# Altium PCB LV_breakout_1.PcbDoc
Units mm, origin at the board's own origin, x right, y up, seen from the top; angles counter-clockwise.
Board outline 151 x 80.64 mm, 4 copper layers (Layer 1, Layer 2, Layer 3, Layer 4), stack 0.75 mm thick; 62 components, 65 nets, 436 pads, 199 vias.
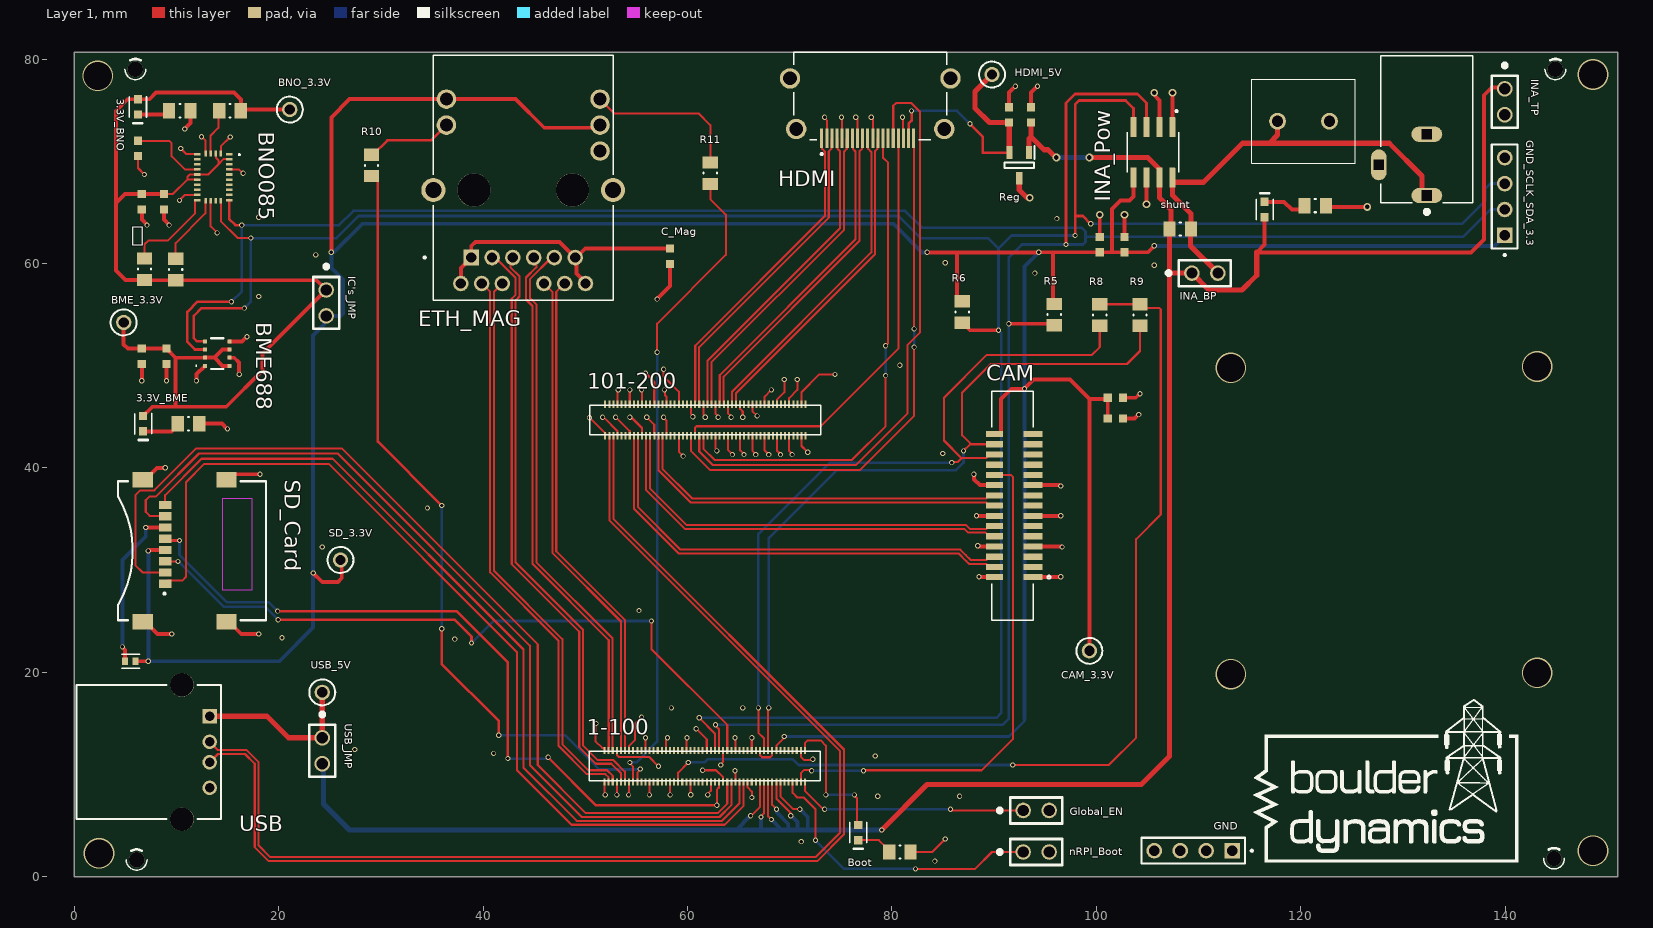
[diagram p0: Layer 1 view]
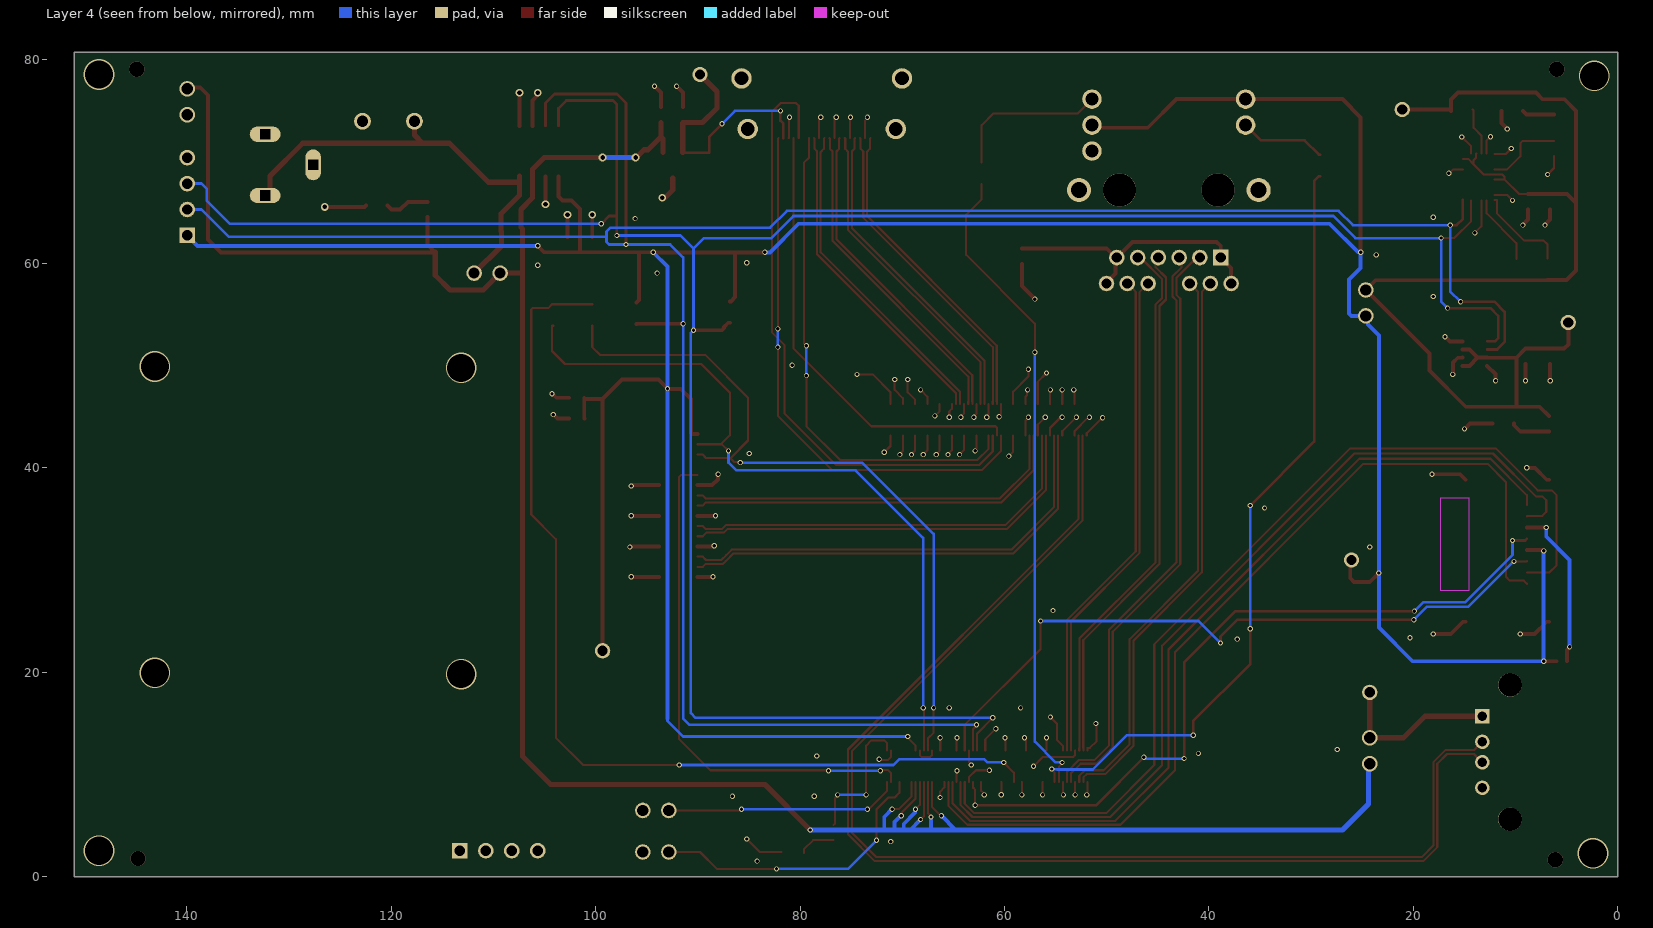
[diagram p1: Layer 4 view, seen from below]
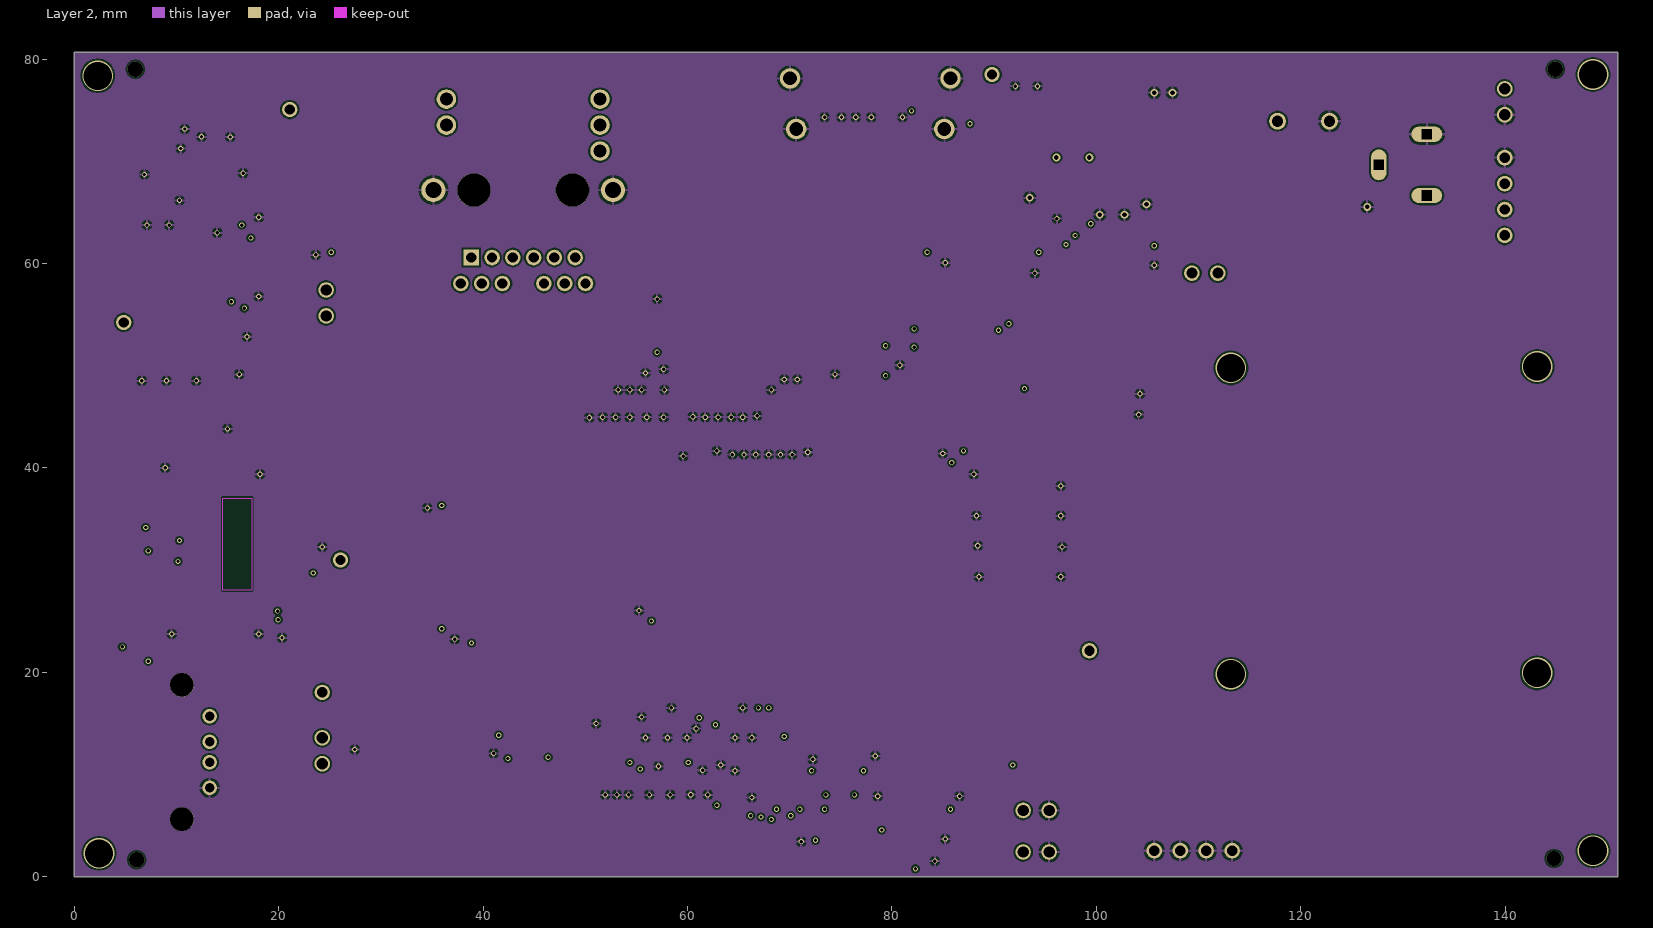
[diagram p2: Layer 2]
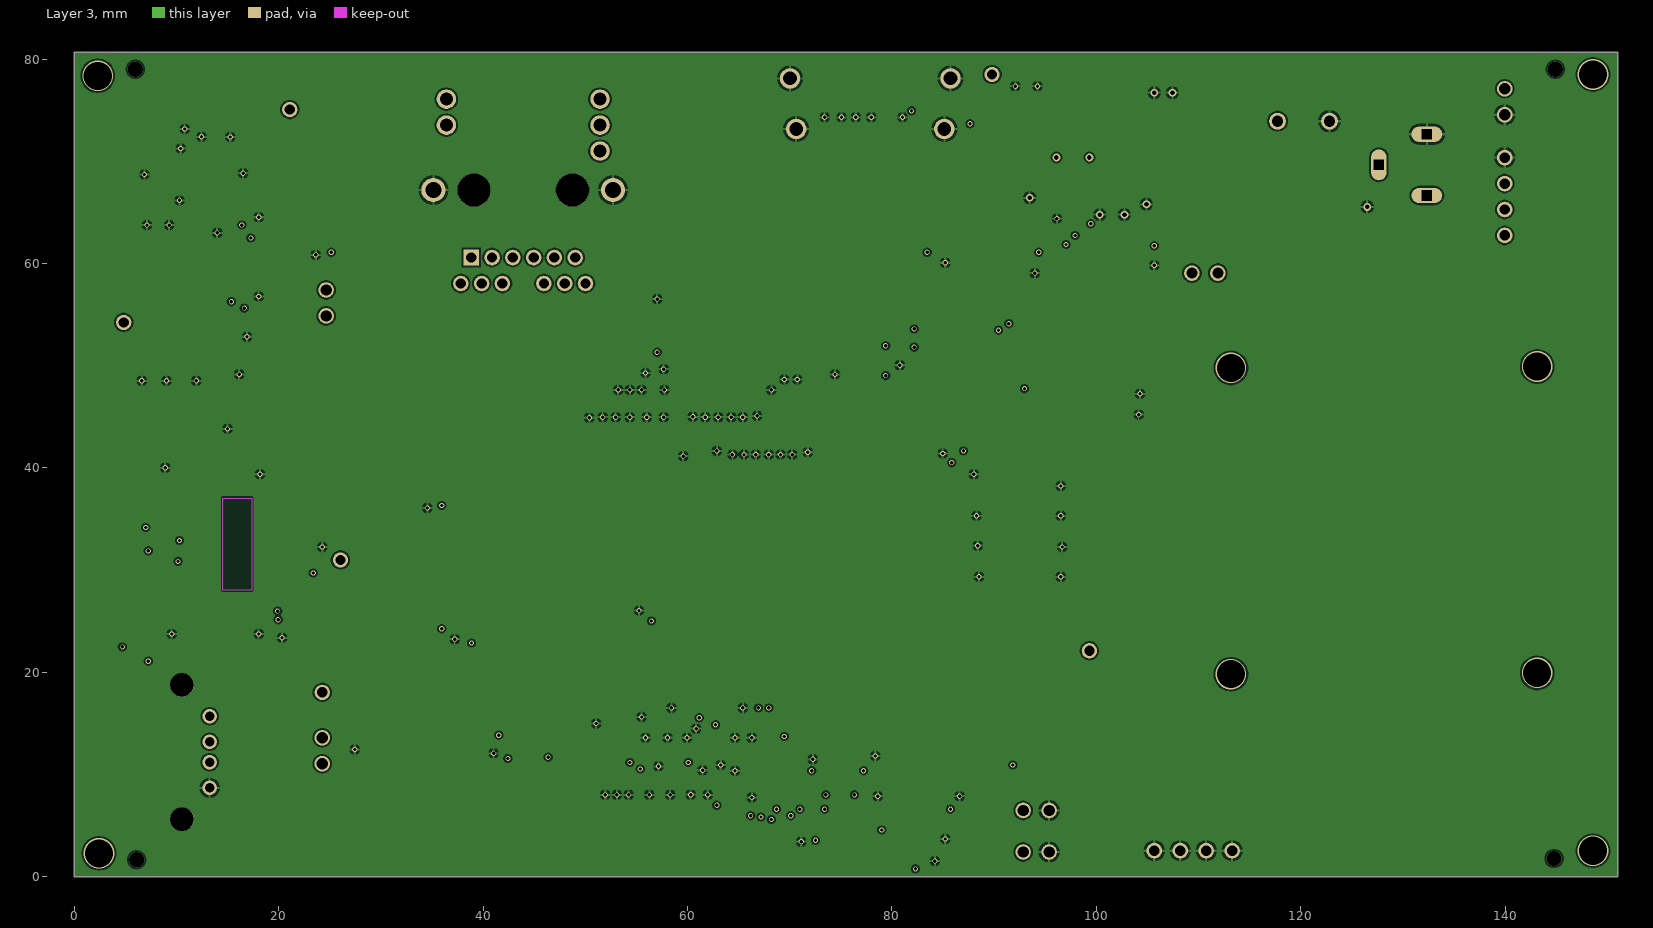
[diagram p3: Layer 3]
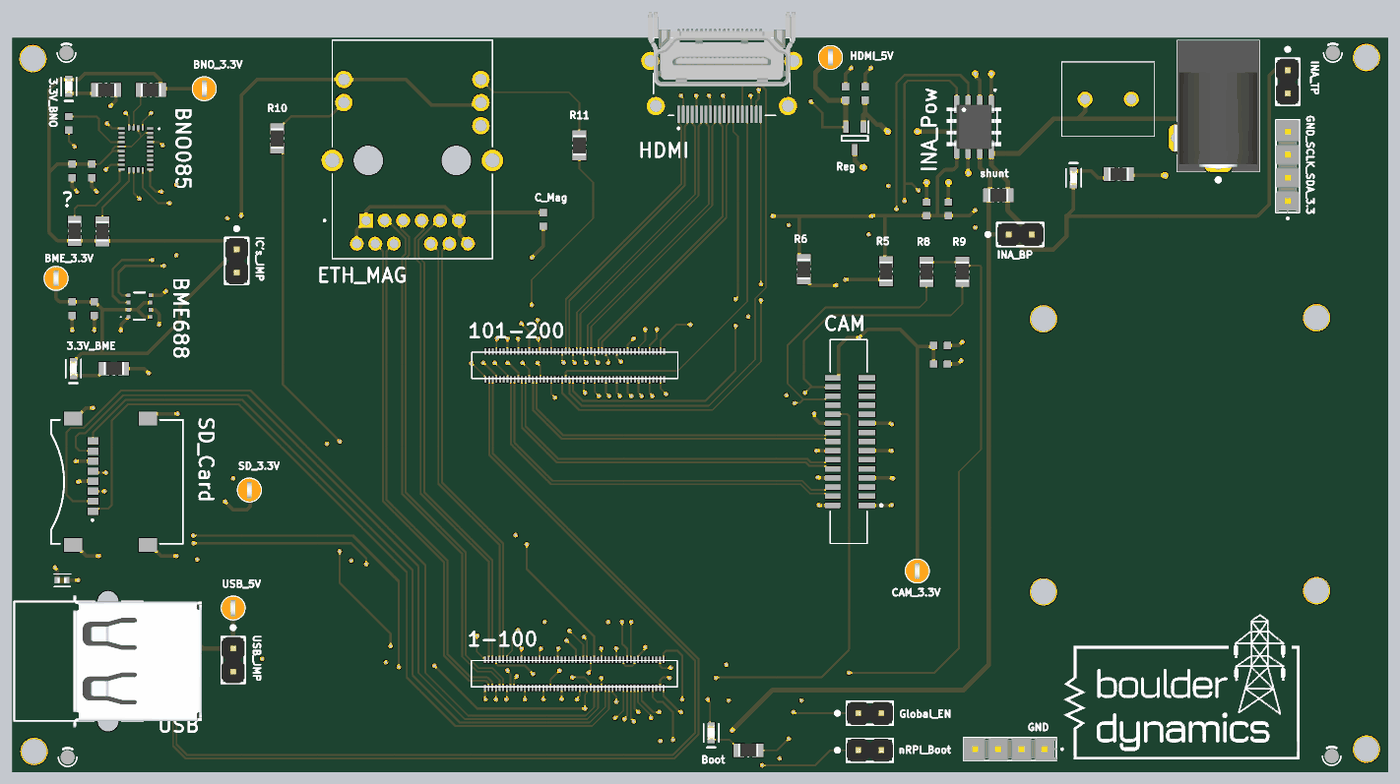
[diagram p4: 3D render of the assembled board from above, using the file's embedded part models]

## Layer stack, top to bottom
Top Solder: solder mask 0.0102, Solder Resist, Dk 3.5
Layer 1: signal copper 0.035
Dielectric 2: prepreg 0.2032, FR-4, Dk 4.6
Layer 2: signal copper 0.035
Dielectric 1: dielectric 0.2032, FR-4, Dk 4.6
Layer 3: signal copper 0.035
Dielectric 3: prepreg 0.2032, FR-4, Dk 4.6
Layer 4: signal copper 0.035
Bottom Solder: solder mask 0.0102, Solder Resist, Dk 3.5

## Board outline
0,0 151.003,0 151.003,80.645 0,80.645

## Design rules (kind name [scope] priority, off if disabled: settings)
Clearance [All] p1: gap=0.178 ignorepadtopadclearanceinfootprint=TRUE except(0: Arc-Hole Track-Hole SMDPad-Hole THPad-Hole Via-Hole Fill-Hole Poly-Hole Region-Hole Text-Hole)
DiffPairsRouting [InDifferentialPairClass('All Differential Pairs')] p1: maxlimit=0.203 minlimit=0.178 mostfreqgap=0.203 toplayer_maxgap=0.178 toplayer_prefgap=0.178 toplayer_minwidth=0.203 toplayer_maxwidth=0.203 toplayer_prefwidth=0.203 midlayer1_mingap=0.203 midlayer1_minwidth=0.093 midlayer1_maxwidth=0.093 midlayer1_prefwidth=0.093 midlayer2_mingap=0.203 midlayer2_minwidth=0.093 midlayer2_maxwidth=0.093 midlayer2_prefwidth=0.093 bottomlayer_maxgap=0.178 bottomlayer_prefgap=0.178 bottomlayer_minwidth=0.203 bottomlayer_maxwidth=0.203 bottomlayer_prefwidth=0.203 impedanceprofiledriven=TRUE impedanceprofileid={7EB8C9FF-5F8B-4FE5-89F7-074612E92635} impedanceprofilevalue=100.000000 maxuncoupledlength=5.08
MatchedLengths [InDifferentialPairClass('All Differential Pairs')] p1: tolerance=0.15 checknetsindiffpair=TRUE checkdiffpairvsdiffpair=FALSE checkxsignals=FALSE checkothers=FALSE usedelayunits=TRUE delaytolerance=5.000000
PolygonConnect [All] p1: connectstyle=Relief reliefconductorwidth=0.254 reliefentries=4 polygonreliefangle="90 Angle" airgapwidth=0.254
RoutingVias [All] p1: holewidth=0.33 width=0.508 viastyle="Through Hole" minholewidth=0.33 minwidth=0.508 maxholewidth=3 maxwidth=3.2
SilkToSilkClearance [All] p1: silktosilkclearance=0.178
SilkToSolderMaskClearance [IsPad] p1: minsilkscreentomaskgap=0.178 clearancetoexposedcopper=TRUE
SolderMaskExpansion [All] p1: expansion=0.102 istentingtop=FALSE
UnRoutedNet [All] p1: checkbadconnections=TRUE
UnpouredPolygon [All] p1: allowunpoured=TRUE allowshelved=TRUE
Width [All] p1: maxlimit=0.508 minlimit=0.203 preferedwidth=0.381 toplayer_prefwidth=0.203 midlayer1_minwidth=0.254 midlayer1_maxwidth=0.254 midlayer1_prefwidth=0.254 midlayer2_minwidth=0.254 midlayer2_maxwidth=0.254 midlayer2_prefwidth=0.254 bottomlayer_minwidth=0.254 minimp=50.000000 maximp=50.000000 favimp=50.000000
25 further rules are at their usual default settings.

## Classes and differential pairs
polygon class PolygonClass_1: GND_L03_P024
component class USB_ETHERNET_SD: C_Mag ETH_MAG P? R10 R11 SD_3.3V SD_Card USB USB_5V USB_JMP
component class LV_breakout_main: 1-100 101-200 Boot Global_EN GND GND_SCLK_SDA_3.3 nRPI_Boot
component class enviornment_IMU: 3.3V_BME 3.3V_BNO BME688 BME_3.3V BNO085 BNO_3.3V IC's_JMP R5 R6
component class current_measure: INA_BP INA_Pow INA_TP shunt
component class camera_hdmi: CAM CAM_3.3V HDMI HDMI_5V R8 R9 Reg
differential pair CAM1_D1: +CAM1_D1_P -CAM1_D1_N
differential pair CAM1_D0: +CAM1_D0_P -CAM1_D0_N
differential pair CAM1_C: +CAM1_C_P -CAM1_C_N
differential pair USB: +USB_P -USB_N
differential pair ETH_PAIR3: +ETH_PAIR3_P -ETH_PAIR3_N
differential pair ETH_PAIR2: +ETH_PAIR2_P -ETH_PAIR2_N
differential pair ETH_PAIR1: +ETH_PAIR1_P -ETH_PAIR1_N
differential pair ETH_PAIR0: +ETH_PAIR0_P -ETH_PAIR0_N
differential pair HDMI1_CK: +HDMI1_CK_P -HDMI1_CK_N
differential pair HDMI_D1: +HDMI_D1_P -HDMI_D1_N
differential pair HDMI1_D2: +HDMI1_D2_P -HDMI1_D2_N
differential pair HDMI1_D0: +HDMI1_D0_P -HDMI1_D0_N

## Components (designator, comment, footprint, x,y, rotation, side; value= is the part's Value field where it differs from the comment)
1-100 "DF40C-100DS-0.4V(51)" HRS_DF40C-100DS-0.4V(51) 61.681,10.811 r0 top
3.3V_BME "0603Bl" LED_0603 6.731,44.323 r270 top value=Blue
3.3V_BNO "0603Bl" LED_0603 6.223,75.311 r270 top value=Blue
101-200 "DF40C-100DS-0.4V(51)" HRS_DF40C-100DS-0.4V(51) 61.743,44.688 r0 top
 "Resistor 10k +/-1% 0805 125 mW" RESC2013X50X35ML15T15 6.858,59.436 r90 top value=10k
? "Resistor 10k +/-1% 0805 125 mW" RESC2013X50X35ML15T15 80.772,2.413 r0 top value=2k
? "885012206071" WCAP-CSGP_885012206071 101.866,46.863 r0 top
? "885012206071" WCAP-CSGP_885012206071 101.854,44.831 r0 top
BME688 "BME688" BME688 13.97,51.181 r180 top
BME_3.3V "5003" KSTN-5003 4.826,54.229 r90 top
BNO085 "BNO085" BNO085 13.589,68.453 r0 top
BNO_3.3V "5003" KSTN-5003 21.082,75.057 r90 top
Boot "0603Bl" LED_0603 76.708,4.318 r270 top value=Blue
C_Mag "885012206071" WCAP-CSGP_885012206071 58.293,60.706 r270 top
CAM "1-1734248-5" TE_1-1734248-5 91.768,36.307 r90 top
CAM_3.3V "5003" KSTN-5003 99.314,22.098 r90 top
ETH_MAG "A829-1J1T-KM" BEL_A829-1J1T-KM 43.917,67.183 r0 top
Global_EN "2 PIN" 2_PIN_100MIL 94.107,6.477 r0 top
GND "TSW-104-14-S-S" JM-4_TSW-104-14-S-S 113.284,2.54 r180 top
GND_SCLK_SDA_3.3 "TSW-104-14-S-S" JM-4_TSW-104-14-S-S 139.954,62.738 r90 top
H? "Stencil Hole" AlignmentHole_1.5mm 144.907,78.994 r0 top
H? "Stencil Hole" AlignmentHole_1.5mm 144.78,1.778 r0 top
H? "Stencil Hole" AlignmentHole_1.5mm 6.096,1.651 r0 top
H? "Stencil Hole" AlignmentHole_1.5mm 5.969,78.994 r0 top
HDMI "10029449-111RLF" AMPHENOL_10029449-111RLF 77.875,78.105 r180 top
HDMI_5V "5003" KSTN-5003 89.789,78.486 r90 top
IC's_JMP "2 PIN" 2_PIN_100MIL 24.638,56.134 r270 top
INA_BP "2 PIN" 2_PIN_100MIL 110.617,59.055 r0 top
INA_Pow "INA219AID" SOIC127P599X175-8N 105.537,70.866 r270 top
INA_TP "2 PIN" 2_PIN_100MIL 139.954,75.819 r270 top
J? "PJ-102A" CUI_PJ-102A 132.334,73.144 r90 top
nRPI_Boot "2 PIN" 2_PIN_100MIL 94.107,2.413 r0 top
r "Resistor 10k +/-1% 0805 125 mW" RESC2013X50X35ML15T15 15.24,74.93 r180 top value=10k
R5 "Resistor 10k +/-1% 0805 125 mW" RESC2013X50X35ML15T15 95.885,54.991 r270 top value=10k
R6 "Resistor 10k +/-1% 0805 125 mW" RESC2013X50X35ML15T15 86.868,55.245 r270 top value=10k
R8 "Resistor 10k +/-1% 0805 125 mW" RESC2013X50X35ML15T15 100.33,54.957 r90 top value=2.2k
R9 "Resistor 10k +/-1% 0805 125 mW" RESC2013X50X35ML15T15 104.267,54.957 r90 top value=2.2k
R10 "Resistor 10k +/-1% 0805 125 mW" RESC2013X50X35ML15T15 29.083,69.596 r90 top value=470
R11 "Resistor 10k +/-1% 0805 125 mW" RESC2013X50X35ML15T15 62.23,68.834 r90 top value=470
Reg "RT9742SNGV" SOT95P279X130-3N 92.456,69.596 r270 top
SD_3.3V "5003" KSTN-5003 26.035,30.988 r90 top
SD_Card "MEM2067-02-180-00-A_REVB" GCT_MEM2067-02-180-00-A_REVB 11.515,31.888 r270 top
shunt "Resistor 10k +/-1% 0805 125 mW" RESC2013X50X35ML15T15 108.204,63.373 r180 top value=.05
USB "USB-A1HSW6" OST_USB-A1HSW6 6.731,12.192 r270 top
USB_5V "5003" KSTN-5003 24.257,18.034 r90 top
USB_JMP "2 PIN" 2_PIN_100MIL 24.257,12.319 r270 top
? "Resistor 10k +/-1% 0805 125 mW" RESC2013X50X35ML15T15 121.412,65.659 r0 top value=3.3k
? "0603Bl" LED_0603 116.459,65.278 r90 top value=Blue
? "282837-2" 2828372 117.729,73.914 r0 top
? "885012206071" WCAP-CSGP_885012206071 9.017,50.915 r270 top
? "885012206071" WCAP-CSGP_885012206071 6.604,50.915 r270 top
? "Resistor 10k +/-1% 0805 125 mW" RESC2013X50X35ML15T15 11.176,44.323 r0 top value=2k
? "Resistor 10k +/-1% 0805 125 mW" RESC2013X50X35ML15T15 10.321,74.93 r180 top value=2k
? "Resistor 10k +/-1% 0805 125 mW" RESC2013X50X35ML15T15 9.906,59.402 r90 top value=10k
? "10uF" 0402_Passive_Capacitor 5.469,21.082 r0 top
? "885012206071" WCAP-CSGP_885012206071 93.599,74.537 r90 top
? "885012206071" WCAP-CSGP_885012206071 91.44,74.537 r90 top
? "885012206071" WCAP-CSGP_885012206071 102.743,61.849 r90 top
? "885012206071" WCAP-CSGP_885012206071 100.33,61.849 r90 top
? "885012206071" WCAP-CSGP_885012206071 6.604,66.04 r270 top
? "885012206071" WCAP-CSGP_885012206071 6.223,71.247 r270 top
? "885012206071" WCAP-CSGP_885012206071 8.763,66.04 r270 top

## Footprints (in the part's own frame and the unit in brackets; to place one, negate y for a bottom-side part, rotate by r counter-clockwise, add the part's x,y. Pads: shape width x height; smd on the part's side, far side on the other; paste and mask are expansions set on the pad)
2_PIN_100MIL [mil]
  round 60 hole 43.31: 1(-50,0) 2(50,0)
  silkscreen extent -145,-50 100,50, body extent -100,-50 100,50, height 336
0402_Passive_Capacitor [mm] "Reference: https://www.worthingtonassembly.com/perfect-0402-footprint"
  rect 0.6x0.7 smd mask+0: 1(-0.5,0) 2(0.5,0)
  silkscreen extent -0.84,-0.69 0.94,0.69, body extent -0.5,-0.27 0.5,0.28, height 0.5
2828372 [mm]
  round 1.65 hole 1.1: 1(0,0) 2(5.08,0)
  silkscreen extent -2.54,-4.1 7.62,4.1
AlignmentHole_1.5mm [mm]
  round 1.55 on Top Paste paste+0 mask+0: 1(0,0)
  silkscreen extent -1.02,-1.01 1.02,1.01
AMPHENOL_10029449-111RLF [mm]
  rect 0.3x1.9 smd mask+0.05: 1(4.75,5.85) 2(4.25,5.85) 3(3.75,5.85) 4(3.25,5.85) 5(2.75,5.85) 6(2.25,5.85) 7(1.75,5.85) 8(1.25,5.85) 9(0.75,5.85) 10(0.25,5.85) 11(-0.25,5.85) 12(-0.75,5.85) 13(-1.25,5.85) 14(-1.75,5.85) 15(-2.25,5.85) 16(-2.75,5.85) 17(-3.25,5.85) 18(-3.75,5.85) 19(-4.25,5.85)
  round 1.995 hole 1.33 mask+0.05: S1(-7.25,4.95) S2(7.25,4.95) S3(-7.85,0) S4(7.85,0)
  silkscreen extent -7.5,-2.55 7.5,7.5, body extent -8.1,-5.36 8.1,2.78, height 6.8
BEL_A829-1J1T-KM [mil]
  rect 60x60 hole 40: 1(-200,-260)
  round 60 hole 40: 2(-120,-260) 3(-40,-260) 4(40,-260) 5(120,-260) 6(200,-260) 7(-240,-360) 8(-160,-360) 9(-80,-360) 10(80,-360) 11(160,-360) 12(240,-360)
  round 75 hole 50: 13(-296,250) 14(-296,350) 15(296,150) 16(296,250) 17(296,350)
  round 93 hole 62: S1(-346,0) S2(346,0)
  round 128 hole 128 unplated: ""(-190,0) ""(190,0)
  silkscreen extent -383,-425 346,520
BME688 [mm]
  rect 0.4x0.4 smd: 1(1.2,1.2) 2(1.2,0.4) 3(1.2,-0.4) 4(1.2,-1.2) 5(-1.2,-1.2) 6(-1.2,-0.4) 7(-1.2,0.4) 8(-1.2,1.2)
  silkscreen extent -0.6,-1.5 2.1,1.5
BNO085 [mm]
  rect 0.675x0.25 smd: 1(1.563,2.25) 6(-1.563,2.25) 7(-1.563,1.75) 8(-1.563,1.25) 9(-1.563,0.75) 10(-1.563,0.25) 11(-1.563,-0.25) 12(-1.563,-0.75) 13(-1.563,-1.25) 14(-1.563,-1.75) 15(-1.563,-2.25) 20(1.563,-2.25) 21(1.563,-1.75) 22(1.563,-1.25) 23(1.563,-0.75) 24(1.563,-0.25) 25(1.563,0.25) 26(1.563,0.75) 27(1.563,1.25) 28(1.563,1.75)
  rect 0.25x0.575 smd: 2(0.75,2.313) 3(0.25,2.313) 4(-0.25,2.313) 5(-0.75,2.313) 16(-0.75,-2.313) 17(-0.25,-2.313) 18(0.25,-2.313) 19(0.75,-2.313)
  silkscreen extent 2.5,2.15 2.6,2.25
CUI_PJ-102A [mm]
  oval 1.508x3.016 hole 1 square: 1(-6.5,0) 2(-0.5,0)
  oval 3.016x1.508 hole 1 square: 3(-3.5,4.7)
  silkscreen extent -8.3,-4.5 7.2,4.5, body extent -7.2,-4.5 7.2,4.9, height 11
GCT_MEM2067-02-180-00-A_REVB [mm]
  rect 0.8x1.2 smd: 1(3.225,-2.625) 2(2.125,-2.625) 3(1.025,-2.625) 4(-0.075,-2.625) 5(-1.175,-2.625) 6(-2.275,-2.625) 7(-3.375,-2.625) 8(-4.475,-2.625)
  rect 1.5x2 smd: 9(-6.945,-4.825) 10(-6.945,3.375) 11(6.945,3.375) 12(6.945,-4.825)
  Keep-Out Layer region: 3.85,3.028 -5.155,3.028 -5.155,5.825 3.85,5.825
  silkscreen extent -6.8,-7.22 6.8,7.22
HRS_DF40C-100DS-0.4V(51) [mm]
  rect 0.2x0.7 smd: 1(-9.8,-1.54) 2(-9.8,1.54) 3(-9.4,-1.54) 4(-9.4,1.54) 5(-9,-1.54) 6(-9,1.54) 7(-8.6,-1.54) 8(-8.6,1.54) 9(-8.2,-1.54) 10(-8.2,1.54) 11(-7.8,-1.54) 12(-7.8,1.54) 13(-7.4,-1.54) 14(-7.4,1.54) 15(-7,-1.54) 16(-7,1.54) 17(-6.6,-1.54) 18(-6.6,1.54) 19(-6.2,-1.54) 20(-6.2,1.54) 21(-5.8,-1.54) 22(-5.8,1.54) 23(-5.4,-1.54) 24(-5.4,1.54) 25(-5,-1.54) 26(-5,1.54) 27(-4.6,-1.54) 28(-4.6,1.54) 29(-4.2,-1.54) 30(-4.2,1.54) 31(-3.8,-1.54) 32(-3.8,1.54) 33(-3.4,-1.54) 34(-3.4,1.54) 35(-3,-1.54) 36(-3,1.54) 37(-2.6,-1.54) 38(-2.6,1.54) 39(-2.2,-1.54) 40(-2.2,1.54) 41(-1.8,-1.54) 42(-1.8,1.54) 43(-1.4,-1.54) 44(-1.4,1.54) 45(-1,-1.54) 46(-1,1.54) 47(-0.6,-1.54) 48(-0.6,1.54) 49(-0.2,-1.54) 50(-0.2,1.54) 51(0.2,-1.54) 52(0.2,1.54) 53(0.6,-1.54) 54(0.6,1.54) 55(1,-1.54) 56(1,1.54) 57(1.4,-1.54) 58(1.4,1.54) 59(1.8,-1.54) 60(1.8,1.54) 61(2.2,-1.54) 62(2.2,1.54) 63(2.6,-1.54) 64(2.6,1.54) 65(3,-1.54) 66(3,1.54) 67(3.4,-1.54) 68(3.4,1.54) 69(3.8,-1.54) 70(3.8,1.54) 71(4.2,-1.54) 72(4.2,1.54) 73(4.6,-1.54) 74(4.6,1.54) 75(5,-1.54) 76(5,1.54) 77(5.4,-1.54) 78(5.4,1.54) 79(5.8,-1.54) 80(5.8,1.54) 81(6.2,-1.54) 82(6.2,1.54) 83(6.6,-1.54) 84(6.6,1.54) 85(7,-1.54) 86(7,1.54) 87(7.4,-1.54) 88(7.4,1.54) 89(7.8,-1.54) 90(7.8,1.54) 91(8.2,-1.54) 92(8.2,1.54) 93(8.6,-1.54) 94(8.6,1.54) 95(9,-1.54) 96(9,1.54) 97(9.4,-1.54) 98(9.4,1.54) 99(9.8,-1.54) 100(9.8,1.54)
  silkscreen extent -11.3,-1.44 11.3,1.44
JM-4_TSW-104-14-S-S [mil]
  rect 60x60 / inner round 60 / far side rect 60x60 hole 40.16: 01(0,0)
  round 60 hole 40.16: 02(100,0) 03(200,0) 04(300,0)
  silkscreen extent -80,-50 350,50, body extent -55,-50 350,50, height 420
KSTN-5003 [mm] "Test Point, Through Hole, Dia 2.54mm"
  round 1.5 hole 1: 1(0,0)
  silkscreen extent -1.27,-1.27 1.27,1.27, body extent -1.27,-1.27 1.27,1.27, height 4.57
LED_0603 [mm]
  rect 0.8x0.8 smd: 1(-0.75,0) 2(0.75,0)
  silkscreen extent -1.02,-0.84 1.6,0.84, body extent -0.84,-0.41 0.76,0.39, height 0.55
OST_USB-A1HSW6 [mm]
  rect 1.428x1.428 / inner round 1.428 / far side rect 1.428x1.428 hole 0.92: 1(-3.5,6.51)
  round 1.428 hole 0.92: 2(-1,6.51) 3(1,6.51) 4(3.5,6.51)
  round 2.3 hole 2.3 unplated: ""(-6.57,3.8) ""(6.57,3.8)
  silkscreen extent -6.55,-6.5 6.55,7.6, body extent -7.9,0 7.9,14.1, height 3.56
RESC2013X50X35ML15T15 [mm] "Chip Resistor, 2-Leads, Body 2.2x1.4mm, IPC Low Density"
  rect 1.2x1.5 smd: 1(-1.05,0) 2(1.05,0)
  silkscreen extent -0.05,-0.65 0.05,0.65, body extent -1.1,-0.7 1.1,0.7, height 0.5
SOIC127P599X175-8N [mm]
  rrect25% 1.97x0.6 smd: 1(-2.47,1.905) 2(-2.47,0.635) 3(-2.47,-0.635) 4(-2.47,-1.905) 5(2.47,-1.905) 6(2.47,-0.635) 7(2.47,0.635) 8(2.47,1.905)
  silkscreen extent -4.14,-2.52 1.95,2.52, body extent -2.45,-3 2.45,3, height 1.75
SOT95P279X130-3N [mm]
  rect 1.25x0.6 smd: 1(-1.25,0.952) 2(-1.25,-0.952) 3(1.25,0)
  silkscreen extent -1.88,-1.45 0.28,1.5
TE_1-1734248-5 [mm]
  rect 0.6x1.85 smd: 1(-7,-2.025) 2(-6,-2.025) 3(-5,-2.025) 4(-4,-2.025) 5(-3,-2.025) 6(-2,-2.025) 7(-1,-2.025) 8(0,-2.025) 9(1,-2.025) 10(2,-2.025) 11(3,-2.025) 12(4,-2.025) 13(5,-2.025) 14(6,-2.025) 15(7,-2.025)
  rect 0.6x1.65 smd: 1_1(-7,1.725) 2_1(-6,1.725) 3_1(-5,1.725) 4_1(-4,1.725) 5_1(-3,1.725) 6_1(-2,1.725) 7_1(-1,1.725) 8_1(0,1.725) 9_1(1,1.725) 10_1(2,1.725) 11_1(3,1.725) 12_1(4,1.725) 13_1(5,1.725) 14_1(6,1.725) 15_1(7,1.725)
  silkscreen extent -11.2,-3.74 11.2,2
WCAP-CSGP_885012206071 [mm]
  rect 0.8x0.8 smd: 1(-0.75,0) 2(0.75,0)

## Part data
1-100 101-200: library part CMP-005-000000-1, "DF40 Series 100 Position Dual Row 0.4 mm Pitch Surface Mount Vertical Receptacle", Package=None, Availability=Unavailable, Component Type=Standard, Design Item ID=DF40C-100DS-0.4V(51), MP=DF40C-100DS-0.4V(51), Pin Count=100, Price=None, Source=DF40C-100DS-0.4V(51).SchLib
3.3V_BME 3.3V_BNO Boot ?: library part LED_BLUE_0603, "LIGHT EMITTING DIODES (LED) BLUE 465~475NM 11.5~28.5MCD@5MA TOP VIEW 0603 ROHS", LCSC Part#=C72041, MFR Part #=19-217/BHC-ZL1M2RY/3T, Type=Basic
 ? r R5 R6 R8 R9 R10 R11 shunt ? ? ? ?: library part CMP-009-00018-5, "Chip Resistor, 10 KOhm, +/- 1%, 125 mW, -55 to 155 degC, 0805 (2012 Metric)", Case/Package=0805, Max Operating Temperature=155°C, Min Operating Temperature=-55°C, Power=125mW, Tolerance=1%, Voltage Rating=150V, Mounting Technology=SM, Pins=2, RoHS Compliant=True
? ? C_Mag ? ? ? ? ? ? ? ? ?: "WCAP-CSGP General Purpose MLCC; SMT 0603; X7R; 100nF 10%; 25V; -55C to +125C; Tech. PN X7R0603104K025DFCT10000", Package="0603 Wurth Electronics", Availability=Warning, MF="Wurth Electronics Inc", MP=885012206071, Price=None, Purchase-URL=https://pricing.snapeda.com/search/part/885012206071/?ref=eda, SnapEDA_Link=https://www.snapeda.com/parts/885012206071/Wurth%20Electronics%20Inc/view-part/4217095/?ref=snap
BME688: "Gas sensor measuring relative humidity, barometric pressure, ambient temperature and gas (VOC)", Manufacturer_Name=BOSCH, Mouser Part Number=262-BME688, Arrow Part Number=BME688, Arrow Price/Stock=https://www.arrow.com/en/products/bme688/bosch?region=europe, Datasheet Link=https://www.bosch-sensortec.com/media/boschsensortec/downloads/datasheets/bst-bme688-ds000.pdf, Geometry.Height=1mm, Manufacturer_Part_Number=BME688, Mouser Price/Stock=https://www.mouser.co.uk/ProductDetail/Bosch-Sensortec/BME688?qs=IS%252B4QmGtzzqQoVDscqwx3A%3D%3D
BME_3.3V BNO_3.3V CAM_3.3V HDMI_5V SD_3.3V USB_5V: library part CMP-002-00037-2, "Test Point, Orange, Height 4.6 mm, Tail Length 3 mm, 1-Pin THD, RoHS", Colour=Orange, Manufacturer=Keystone, Package Description="1-Pin Through Hole Device, Dia 2.54 mm", Package Quantity=10, Case/Package=5003, Connector Type=TestPoint, Contact Material=Bronze, Contact Plating=Tin, Datasheet URL=http://keyelco.com/userAssets/file/M65p56.pdf, Datasheet Version=Jun-15, Diameter=2.54mm, Manufacturer URL=http://www.keyelco.com/, Mounting Technology=TH, Package Reference=5003, Packaging=Bulk, Pins=1, RoHS Compliant=True
BNO085: "IMU ACCEL/GYRO/MAG I2C 32BIT", Manufacturer_Name="Hillcrest Laboratories, Inc.", Datasheet Link=https://www.hillcrestlabs.com/downloads/bno080-datasheet, Geometry.Height=1.18mm, Manufacturer_Part_Number=BNO085
CAM: "FPC CONNECTOR, RECEPTACLE 15POS 1MMPITCH; Series:FPC; Gender:Receptacle; Pitch S", Package=None, Digi-Key_Part_Number=A101418CT-ND, Digi-Key_Purchase_URL=https://www.digikey.com/product-detail/en/te-connectivity-amp-connectors/1-1734248-5/A101418CT-ND/2567554?utm_source=snapeda&utm_medium=aggregator&utm_campaign=symbol, EU_RoHS_Compliance=Compliant, MF="TE Connectivity", MP=1-1734248-5, SnapEDA_Link=https://www.snapeda.com/parts/1-1734248-5/TE%20Connectivity%20AMP%20Connectors/view-part/822357/?ref=snap, TE_purchase_URL=https://www.te.com/usa-en/product-1-1734248-5.html?te_bu=Cor&te_type=disp&te_campaign=seda_glo_cor-seda-global-disp-prtnr-fy19-seda-model-bom-cta_sma-317_1&elqCampaignId=32493
ETH_MAG: "1X1", Package=None, Availability=Warning, MF="Bel Magnetic Solutions", Mouser-Purchase-URL=https://snapeda.com/shop?store=Mouser&id=3611988, MP=A829-1J1T-KM, Price=None, SnapEDA_Link=https://www.snapeda.com/parts/A829-1J1T-KM/Bel%20Magnetic%20Solutions/view-part/3611988/?ref=snap
Global_EN IC's_JMP INA_BP INA_TP nRPI_Boot USB_JMP: library part JM_2_PIN_MALE, "2.54mm Straight 2 1 Header，Breakaway Through Hole,P=2.54mm Pin Header & Female Header ROHS", LCSC Part#=C124375, MFR Part #=B-2100S02P-A110, Datasheet=https://datasheet.lcsc.com/lcsc/1811151421_Ckmtw-Shenzhen-Cankemeng-B-2100S02P-A110_C124375.pdf, Type=Extended